# Allegro board DPU_PoE_A1_Sep27.brd (continued)
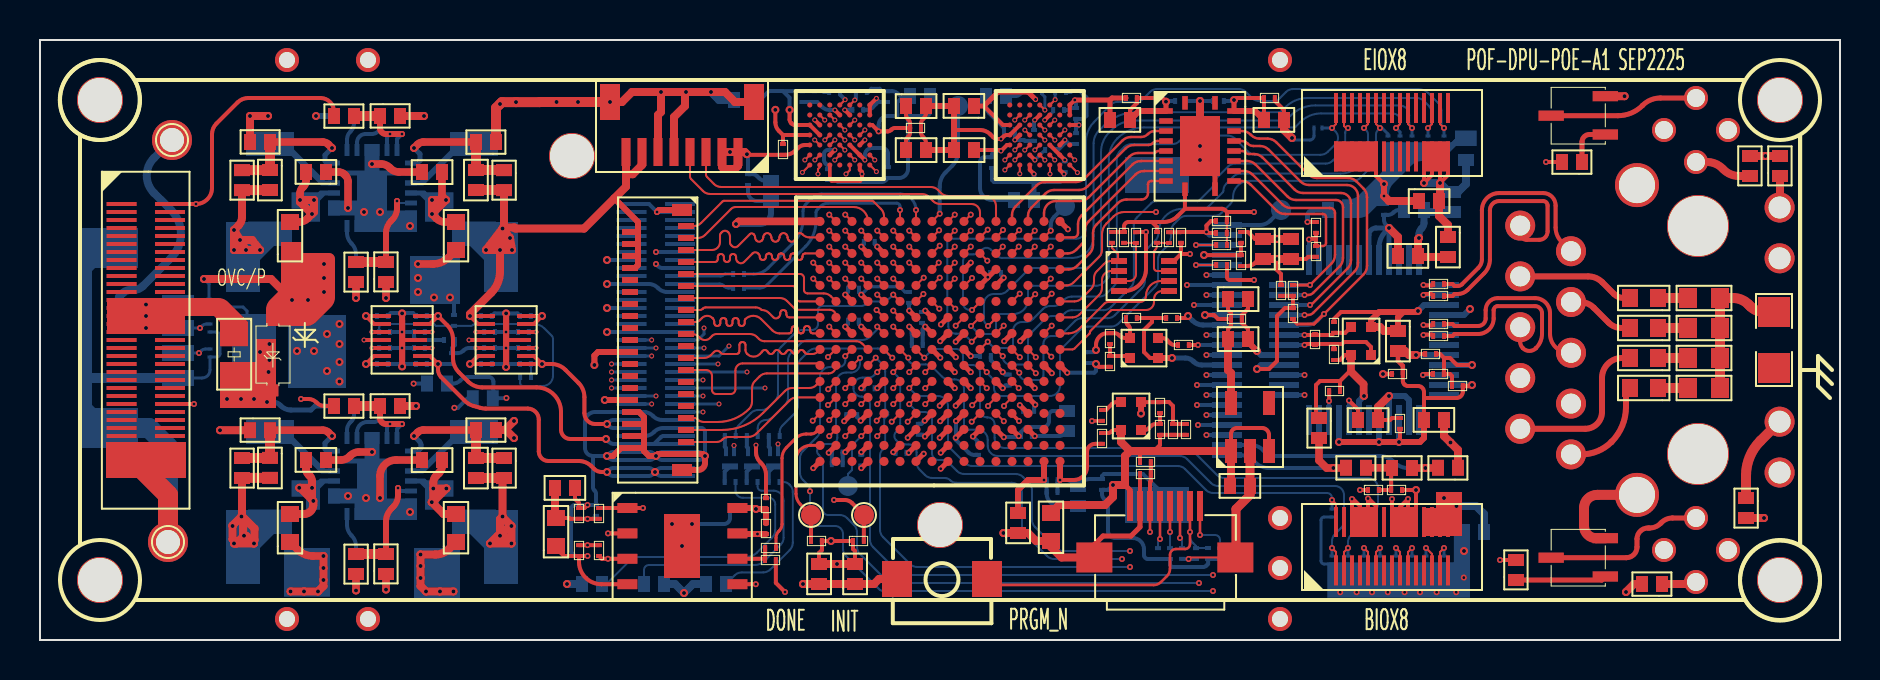
[diagram p0: board, top side]
## Footprints (pads in the part's own frame, mm; a bottom-side part is the same pattern mirrored in y, then rotated) (continued)
  rect 1x0.5 smd: 1(-2.73,1.9) 2(-2.73,0.63) 3(-2.73,-0.64) 4(-2.73,-1.91) 5(2.77,-1.91) 6(2.77,-0.64) 7(2.77,0.63) 8(2.77,1.9)
  rect 1.8x3.2 smd: EP(0,0)
WSON-14-EP
  rect 0.2x0.7 smd: 1(0,-1.8) 2(0.4,-1.8) 3(0.8,-1.8) 4(1.2,-1.8) 5(1.6,-1.8) 6(2,-1.8) 7(2.4,-1.8) 8(2.4,0) 9(2,0) 10(1.6,0) 11(1.2,0) 12(0.8,0) 13(0.4,0) 14(0,0)
  rect 2x0.3 smd: EP(1.197,-0.895)

## Nets
GND: C1.1 C2.2 C3.2 C4.2 C5.1 C6.1 C7.2 C8.1 C9.1 C10.1 C11.2 C12.1 C13.1 C14.1 C17.1 C18.1 C19.1 C20.1 C21.1 C22.1 C23.1 C24.2 C25.2 C26.1 C27.1 C29.2 C30.2 C31.2 C32.1 C34.2 C36.1 C37.1 C38.1 C40.1 C41.1 C43.1 C44.2 C45.1 C46.1 C47.1 C48.2 C49.2 C50.1 C51.1 C54.2 C55.1 C56.1 C57.2 C58.1 C59.1 C60.1 C61.1 C62.1 C63.1 C64.1 C65.1 C66.1 C67.2 C68.2 C69.2 C70.1 C71.1 C72.1 C73.1 C74.1 C75.1 C76.1 C77.1 C78.1 C79.1 C80.1 C81.1 C82.2 C83.1 C84.1 C85.1 C86.1 C87.1 C88.1 C89.2 C90.2 C91.1 C92.2 C93.2 C94.2 C95.1 C96.1 C97.2 C98.2 C99.1 C100.1 C101.1 C102.2 C103.1 C104.2 C105.2 C106.1 C107.1 C108.1 C109.1 C110.1 C111.2 C112.1 C113.1 C114.1 C115.1 C116.2 C117.1 C118.1 C119.2 C120.1 C121.2 C122.1 C123.1 C124.1 C125.1 C126.1 C127.2 C128.2 C129.2 C130.1 C131.2 C132.1 C133.1 C134.1 C135.1 C136.2 C137.1 C138.2 C139.1 C140.1 C141.1 C142.2 C143.1 C144.2 C145.2 C146.1 D1.1 D2.1 D3.1 D4.1 D5.1 D6.1 D7.2 D8.1 D9.1 D10.1 D11.1 D12.1 D13.1 D14.1 D15.1 D16.1 D20.1 D21.1 D22.1 J1.5 J1.6 J1.9 J1.10 J2.1 J2.3 J2.5 J2.7 J2.9 J2.11 J3.61 J3.62 J3.63 J3.64 J3.65 J3.66 J3.67 J3.68 J3.69 J3.70 J4.6 J4.8 J4.10 J4.12 J5.7 J5.9 J5.10 J6.2 J6.15 J6.25 J6.26 J7.5 J7.6 J7.7 J7.8 J7.11 J7.14 J7.16 J7.17 J7.37 J7.38 J7.43 J7.48 J7.49 J7.54 J7.55 J7.58 J7.68 J7.69 J8.1 J8.5 J8.6 Q1.2(E) Q2.2(E) Q3.2(EMITTER) Q4.2(EMITTER) Q5.2(EMITTER) R3.1 R4.1 R13.2 R15.2 R19.2 R32.2 R33.2 R37.2 R40.1 R41.1 R42.1 R45.1 R56.2 R58.2 R70.1 R71.1 R72.1 R73.1 R86.2 R90.1 SW1.1 TP3.1(TP) U1.A7 U1.B4 U1.B7 U1.C2 U1.D1 U1.E6 U1.G3 U1.G6(VSSQ#G6) U2.A7 U2.B4 U2.B7 U2.C2 U2.D1 U2.E6 U2.G3 U2.G6(VSSQ#G6) U3.11 U3.EPAD U4.4 U5.11 U5.EP U6.11 U6.EP U7.A1 U7.A8 U7.A10 U7.A13 U7.A16 U7.B8 U7.B10 U7.B14(VSSSD#B14) U7.C3 U7.C6 U7.C9 U7.C10 U7.D3 U7.D8 U7.D14 U7.E7 U7.E8 U7.F3 U7.F12 U7.G1 U7.G2 U7.G5 U7.G8 U7.H8 U7.H9 U7.J3 U7.J7 U7.J8 U7.J9 U7.J14 U7.L13 U7.M5 U7.N7 U7.P13 U7.T1 U7.T16 U8.2 U9.4 U9.EP U11.3 U11.4 U11.8 U11.12 U11.13 U11.14 U11.15 U11.16 U11.17 U11.19 U11.20 U11.23 U11.EPAD U12.3 U12.9 U12.14 U12.16 U12.19 U12.29 U12.48 U13.GND1 U13.GND2 U14.3 U14.4 U14.8 U14.12 U14.13 U14.14 U14.15 U14.16 U14.17 U14.19 U14.20 U14.23 U14.EPAD Y1.32 Y1.34 Y1.36 Y1.38 Y1.39 Y1.40 Y1.41 Y2.2 Y2.4(GND#4) Y3.2 Y4.2
GND_EARTH: C35.1
P1V0: C15.2 C60.2 C98.1 C105.1 C111.1 C113.2 C116.1 C127.1 C128.1 C129.1 C130.2 C131.1 C134.2 C135.2 C136.1 C138.1 L2.2 R8.2 U7.A2 U7.B15 U7.C4 U7.C5 U7.C7 U7.D7 U7.D9 U7.H7 U7.J10 U7.K9
P1V5: C29.1 C34.1 C48.1 J6.10 U8.5(OUT)
P1V8: C1.2 C3.1 C4.1 C5.2 C6.2 C7.1 C9.2 C10.2 C11.1 C12.2 C17.2 C18.2 C19.2 C22.2 C30.1 C31.1 C47.2 C49.1 C52.2 C54.1 C55.2 C57.1 C59.2 C63.2 C64.2 C65.2 C66.2 C67.1 C68.1 C69.1 C70.2 C71.2 C72.2 C74.2 C75.2 C76.2 C77.2 C78.2 C79.2 C80.2 C81.2 C82.1 C83.2 C84.2 C85.2 C86.2 C87.2 C88.2 C89.1 C90.1 C94.1 C96.2 C99.2 C100.2 C104.1 C106.2 C117.2 C123.2 C124.2 C125.2 C126.2 C132.2 C133.2 C137.2 C139.2 C140.2 C141.2 C145.1 C146.2 J1.1 J1.2 J2.23 J2.25 J2.27 J2.29 J5.8 J6.11 L4.2 R11.1 R12.1 R14.1 R16.1 R17.1 R28.2 R39.2 R46.2 R48.1 R50.2 R51.2 R52.2 R53.2 R55.2 R61.1 R62.2 R63.1 R64.2 R85.1 R87.1 R88.1 R89.1 U1.B5 U1.C1 U1.C7 U1.D2 U1.E1 U1.E5 U1.F3 U1.F6 U2.B5 U2.C1 U2.C7 U2.D2 U2.E1 U2.E5 U2.F3 U2.F6 U3.2 U3.10 U4.8 U5.1 U5.2 U7.B11 U7.B13 U7.C8 U7.D13 U7.E3 U7.F5 U7.F7 U7.F8 U7.F13 U7.G7 U7.J4 U7.J13 U7.K8 U7.K10 U7.L14 U7.M6 U7.N5 U7.N6 U7.P12 U8.1 U8.3 U9.8 Y1.22 Y1.30 Y3.4(VCC) Y4.4(VCC)
P2V8: C23.2 C24.1 C53.2 C144.1 D17.2 D18.2 D19.2 FB1.1 FB3.1 J4.16 J4.18 J4.20 J4.22 L3.2 R47.2
P3V3: C2.1 C8.2 C16.2 C27.2 C40.2 C73.2 C91.2 C92.1 C93.1 C97.1 C102.1 C119.1 C142.1 FB2.1 J1.7 J1.8 J4.24 J4.26 J4.28 J4.30 L1.2 R6.2 R7.2 R9.2 R10.1 R21.2 R24.2 R49.2 R60.2 U3.19(VCCB) U6.1 U6.2 U6.6 U6.7 U12.28 U12.43 U12.44 U12.45 Y1.2 Y1.4 Y1.6 Y1.8
P3V3A: C36.2 C37.2 C41.2 C45.2 C46.2 FB2.2 U12.4 U12.8 U12.11 U12.15 U12.17 U12.21
P5V0: C13.2 C14.2 C20.2 C21.2 C50.2 C51.2 C61.2 C62.2 C107.2 C121.1 C122.2 D7.1(CATHODE) D20.2 F1.2 J8.4 R1.2 R18.1 R35.2 R57.1 R65.2 R66.2 R67.2 R76.2 R77.2 R84.2 U5.4 U5.6 U5.7 U6.4 U11.10 U11.21 U14.10 U14.21
P5V0_IN: F1.1 J3.25 J3.26 J3.27 J3.28 J3.29 J3.30 J3.31 J3.32 J3.33 J3.34 TP1.1(TP)
ACTLED: U12.27 U13.12
BIO-1: D16.2 J4.27 U7.E10
BIO-2: D10.2 J4.2 U7.F10
BIO-3: D15.2 J4.25 U7.G11
BIO-4: D13.2 J4.17 U7.G12
BIO-5: D14.2 J4.19 U7.G13
BIO-6: D12.2 J4.11 U7.G14
BIO-7: D11.2 J4.9 R91.2 R92.2 U7.H14
BIO-8: D8.2 J4.3 U7.H10
BIO-9: D9.2 J4.1 U7.H11
C13: TP8.1(TP) U7.C13
DONE: R53.1 TP4.1(TP) U7.B16
DVP_D0: J6.19 U7.E4
DVP_D1: J6.21 U7.E6
DVP_D2: J6.22 U7.D6
DVP_D3: J6.20 U7.E5
DVP_D4: J6.18 U7.D5
DVP_D5: J6.16 U7.F6
DVP_D6: J6.14 U7.G3
DVP_D7: J6.12 U7.H2
DVP_HSYNC: J6.9 U7.H3
DVP_MCLK: J6.13 R30.2
DVP_PCLK: J6.17 U7.F4
DVP_PWDN: J6.8 U7.J2
DVP_RST: J6.6 U7.J5
DVP_SCL: J6.5 R17.2 U7.L3
DVP_SDA: J6.3 R16.2 U7.M2
DVP_VSYNC: J6.7(VSYNC) U7.H4
E_CSN: U3.4 U7.T4
E_INT: U3.8 U7.P1
E_MISO: U3.6 U7.T2
E_MOSI: U3.7 U7.R1
E_RST: U3.9 U7.N1
E_SCLK: U3.5 U7.T3
EIO-1: D3.2 J2.26 U7.L6
EIO-2: J2.4 U7.H5
EIO-3: D1.2 J2.2 U7.H6
EIO-4: D6.2 J2.12 U7.G6
EIO-5: D2.2 J2.28 U7.J6
EIO-6: J2.10 U7.G4
EIO-7: D5.2 J2.18 U7.K6
EIO-8: D4.2 J2.20 U7.K5
EN_ME1: R35.1 R36.1 U14.5 U14.6
EN_ME2: R1.1 R2.1 U11.5 U11.6
ETH_CSN: R24.1 U3.17 U12.32
ETH_INT: R21.1 U3.13 U12.36
ETH_MISO: U3.15 U12.34
ETH_MOSI: U3.14 U12.35
ETH_RST: C25.1 R10.2 U3.12 U12.37
ETH_SCLK: U3.16 U12.33
FP_LED0: J1.3(VBAT+#3) U7.T5
FP_LED1: J1.4 U7.T6
H1_CKN: U2.B2 U7.T8
H1_CKP: U2.B3 U7.T7
H1_CS: R62.1 U2.A4 U7.P5
H1_D0: U2.D4 U7.P7
H1_D1: U2.D3 U7.R8
H1_D2: U2.C5 U7.P3
H1_D3: U2.D5 U7.R4
H1_D4: U2.D6 U7.P4
H1_D5: U2.E4 U7.R5
H1_D6: U2.E3 U7.R6
H1_D7: U2.E2 U7.R7
H1_D8: U2.F5 U7.L10
H1_D9: U2.F1 U7.R9
H1_D10: U2.F7 U7.L8
H1_D11: U2.F2 U7.P8
H1_D12: U2.G5 U7.M9
H1_D13: U2.G1 U7.P9
H1_D14: U2.G7 U7.L9
H1_D15: U2.G2 U7.N9
H1_RST: R61.2 U2.A5 U7.P6
H1_RWDS0: U2.C4 U7.R3
H1_RWDS1: U2.F4 U7.N8
H2_CKN: U1.B2 U7.T15
H2_CKP: U1.B3 U7.T14
H2_CS: R64.1 U1.A4 U7.R10
H2_D0: U1.D4 U7.N12
H2_D1: U1.D3 U7.N13
H2_D2: U1.C5 U7.P11
H2_D3: U1.D5 U7.R12
H2_D4: U1.D6 U7.N11
H2_D5: U1.E4 U7.R13
H2_D6: U1.E3 U7.R14
H2_D7: U1.E2 U7.P14
H2_D8: U1.F5 U7.M11
H2_D9: U1.F1 U7.N15
H2_D10: U1.F7 U7.N10
H2_D11: U1.F2 U7.R15
H2_D12: U1.G5 U7.M12
H2_D13: U1.G1 U7.P15
H2_D14: U1.G7 U7.M10
H2_D15: U1.G2 U7.N14
H2_RST: R63.2 U1.A5 U7.P10
H2_RWDS0: U1.C4 U7.R11
H2_RWDS1: U1.F4 U7.M13
INIT_N: R48.2 TP2.1(TP) U7.D11
IO-1: U7.T12 Y1.1
IO-2: U7.T13 Y1.3
IO-3: U7.R16 Y1.5
IO-4: U7.P16 Y1.7
IO-5: U7.L15 Y1.9
IO-6: U7.L16 Y1.11
IO-7: U7.K15 Y1.13
IO-8: U7.K16 Y1.15
IO-9: U7.J16 Y1.17
IO-10: U7.H13 Y1.19
IO-11: U7.H16 Y1.23
IO-12: U7.G16 Y1.25
IO-13: U7.G15 Y1.33
IO-14: U7.F16 Y1.35
IO-15: U7.E16 Y1.37
IO_LED_1: R80.1 U7.L11
IO_LED_2: R79.1 U7.J12
IO_LED_3: R78.1 U7.H12
IR_1V8: C103.2 J7.9 J7.10 J7.12 U5.13 U5.14
IR_1V8_EN: C108.2 R71.2 R74.2 U5.3
IR_3V3: C118.2 J7.13 J7.15 R74.1 U6.8 U6.9(VOUT2.)
IR_3V3_EN: C112.2 R72.2 R75.2 U6.5
IR_5V0: C120.2 J7.1 J7.2 J7.3 J7.4 R75.1 U5.8 U5.9(VOUT2.)
IR_D0: J7.18 U7.E15
IR_D1: J7.19 U7.E12
IR_D2: J7.20 U7.F9
IR_D3: J7.21 U7.E13
IR_D4: J7.22 U7.G10
IR_D5: J7.23 U7.F15
IR_D6: J7.24 U7.E9
IR_D7: J7.25 U7.H15
IR_D8: J7.26 U7.G9
IR_D9: J7.27 U7.J15
IR_D10: J7.28 U7.K7
IR_D11: J7.29 U7.K12
IR_D12: J7.30 U7.J11
IR_D13: J7.31 U7.L12
IR_D14: J7.32 U7.K11
IR_D15: J7.33 U7.M16
IR_HSYNC: J7.34 U7.M15
IR_PCLK: J7.36 U7.M14
IR_PWR_EN: R73.2 U5.5 U7.M7
IR_UART_RX: R69.1 U7.T11
IR_UART_TX: R68.1 U7.T10
IR_VSYNC: J7.35 U7.N16
JTAG_EN: J5.6 R89.2 R90.2 U7.D10
LD_3V3: C101.2 U6.13 U6.14
LD_3V3_EN: R70.2 U6.3
LINKLED: U12.25 U13.14
MCLK: R54.1 U7.C16
MCSN: R51.1 U7.C15 U9.1
MD0: U7.C14 U9.5
MD1: U7.D16 U9.2
MD2: R55.1 U7.D15 U9.3(W#/SIO2)
MD3: R52.1 U7.D12 U9.7
MIPI1_CLK+: U7.D1
MIPI1_CLK-: U7.D2
MIPI1_D0+: U7.E1
MIPI1_D0-: U7.E2
MIPI1_D1+: U7.C1
MIPI1_D1-: U7.C2
MIPI2_CLK+: U7.A5
MIPI2_CLK-: U7.B5
MIPI2_D0+: U7.A4
MIPI2_D0-: U7.B4
MIPI2_D1+: U7.A6
MIPI2_D1-: U7.B6
NC.12: U12.12
PROGRAM_N: C58.2 J5.2 R50.1 SW1.2 U7.C12
PWR_EN1: D22.2 J3.52 J8.2 R36.2 R92.1
PWR_EN2: D21.2 J3.2 J8.3 R2.2 R91.1
RN: R25.1 U13.6
RP: R27.1 U13.5
SPI_CS: R11.2 U4.1 U7.L1
SPI_SCK: U4.6 U7.J1
SPI_SI: U4.5 U7.H1
SPI_SO: U4.2 U7.K1
SYNC-1: R57.2 R58.1 U14.11(SYNC)
SYNC-2: R18.2 R19.1 U11.11(SYNC)
SYS_CLK: R38.2 U7.D4
TCK: J5.3 R86.1 U7.F14
TDI: J5.5 R88.2 U7.F11
TDO: J5.1 R85.2 U7.E14
TMS: J5.4 R87.2 U7.E11
TN: R20.1 U13.2
TP: R22.1 U13.1
TP_P2: U7.P2
TP_R2: TP6.1(TP) U7.R2
UPLD_TXD1: R5.2 U7.M1
UPLD_TXD2: R59.2 U7.L4
N760129: C26.2 FB1.2 J6.4
N760503: C56.2 FB3.2 R43.1 R44.1
N762812: R28.1 R32.1 Y3.1
N763219: R30.1 Y3.3
N900708: R54.2 R56.1 U9.6
N990170: R37.1 R39.1 Y4.1
N990230: R38.1 Y4.3
N1026841: R12.2 R13.1 U4.3(W\P\)
N1026851: R14.2 R15.1 U4.7
N1593173: D18.1(CATHODE) R83.2
N1593177: D19.1(CATHODE) R82.2
N1593181: D17.1(CATHODE) R81.2
N1593233: Q5.3 R83.1
N1593237: Q4.3 R82.1
N1593241: Q3.3 R81.1
N1593321: Q5.1 R80.2
N1593325: Q4.1 R79.2
N1593329: Q3.1 R78.2
N1599549: L3.1 U14.9
N1609517: C143.2 R84.1 U14.18
N1613601: C53.1 R41.2 R47.1 U14.7
N1616720: L4.1 U14.22
N1616768: C52.1 R40.2 R46.1 U14.24
N1627713: R77.1 U14.2
N1630418: R76.1 U14.1
N2052721: TP5.1(TP) U7.T9
N2071731: L1.1 U11.9
N2071767: R66.1 U11.2
N2071821: C16.1 R4.2 R9.1 U11.7
N2072037: C95.2 R67.1 U11.18
N2072149: L2.1 U11.22
N2072181: R65.1 U11.1
N2072229: C15.1 R3.2 R8.1 U11.24
N2690332: J6.1 TP7.1(TP)
N2822398: J7.50 R69.2
N2822416: J7.52 R68.2
N2837557: C110.2 U5.12
N2837561: C115.2 U5.10
N2851475: C109.2 U6.12
N2851539: C114.2 U6.10
N2872165: J6.23 R44.2 R45.2
N2872169: J6.24 R42.2 R43.2
N2902183: R20.2 U12.1
N2902195: R22.2 U12.2
N2902207: R25.2 U12.5
N2902219: R27.2 U12.6
N2910858: R33.1 U12.10
N2920519: C44.1 U12.20
N2922742: C43.2 U12.22
N2933507: C32.2 R29.2 U12.31(XO) Y2.3
N2934366: C38.2 R29.1 U12.30 Y2.1
N2966266: R49.1 U13.13
N2966270: R7.1 U13.11
N2975066: C28.2 U13.3
N2979599: C33.2 U13.4
N2979611: C39.2 U13.9
N2981115: C42.2 U13.10
N2982594: C35.2 R23.2 R26.2 R31.2 R34.2
N3194519: LD1.2 Q1.3
N3194698: LD1.1 R6.1
N3194743: Q1.1 R5.1
N3194934: LD2.1 R60.1
N3195021: LD2.2 Q2.3
N3195213: Q2.1 R59.1
N29811470: C28.1 R23.1
N29812170: C33.1 R26.1
N29812430: C39.1 R31.1
N29812690: C42.1 R34.1

Pads without a net: J2 6 8 13 14 15 16 17 19 21 22 24 30; J3 1 3 4 5 6 7 8 9 10 11 12 13 14 15 16 17 18 19 20 21 22 23 24 35 36 37 38 39 40 41 42 43 44 45 46 47 48 49 50 51 53 54 55 56 57 58 59 60; J4 4 5 7 13 14 15 21 23 29; J7 39 40 41 42 44 45 46 47 51 53 56 57 59 60 61 62 63 64 65 66 67 70; LD1 3 4; LD2 3 4; TP9 1; TP10 1; TP11 1; TP12 1; TP13 1; TP14 1; TP15 1; TP16 1; U1 A1 A2 A3 A6 B1 B6 C3 C6 D7 E7 G4; U2 A1 A2 A3 A6 B1 B6 C3 C6 D7 E7 G4; U3 1 3 18 20; U7 A3 A7 A9 A11 A12 A14 A15 B1 B2 B3 B7 B9 B12 C11 F1 F2 K2 K3 K4 K13 K14 L2 L5 L7 M3 M4 M8 N2 N3 N4; U8 4; U12 7 13 18 23 24 26 38 39 40 41 42 46 47; U13 7 8; Y1 10 12 14 16 18 20 21 24 26 27 28 29 31

## Via types
v1: diameter 0.3, hole 0.15, TOP to BOTTOM, 301 vias
v2: diameter 0.25, hole 0.15, TOP to BOTTOM, 101 vias
v3: diameter 0.4, hole 0.2, TOP to BOTTOM, 193 vias

## Routing (per net, layer and track width the routed paths; a pad name or vN(x,y) marks a point on that pad's centre or on a via; arc(x,y) is an arc through that point)
GND: length 821.6
  TOP w0.102: v1(57.43,4.05) 57.51,4.13 J5.9
  TOP w0.18: U1.G3 39.49,23.04 39.58,22.95 41.01,22.95 41.1,23.04 v2(41.1,23.3)
  TOP w0.2: U1.C2 38.75,25.99 38.75,25.99 v2(38.74,26) ; U2.G6 50.99,23.51 v2(51.2,23.3) ; C24.2 60.95,19.05 60.76,18.86 arc(60.58,18.74) 60.37,18.7 C26.1 ; R32.2 52.94,13.66 v3(52.8,13.8) ; 37.15,25.25 36.94,25.46 arc(36.81,25.65) 36.77,25.88 v3(36.77,26.51) ; 37.15,25.25 C10.1 ; 37.15,25.25 U1.D1 ; v2(41.24,25) U1.E6 ; 70.2,14.1 70.5,14.1 70.85,13.75 v3(71.6,13.75) ; 70.2,14.1 70,14.3 C37.1 ; 70.2,14.1 70.2,13.31 R33.2 70.5,13.3 70.6,13.2 C41.1 ; U2.B7 U2.A7 v2(51.74,27) ; J4.10 v1(66.4,7.07) 66.43,7.07 66.8,6.7 J4.12 ; v1(58.32,20.4) 58.32,20.72 58.55,20.95 C18.1 ; v1(58.32,20.4) C22.1 57.04,20.39 R15.2 ; v1(58.32,20.4) 58.35,20.4 58.4,20.35 C19.1 ; U5.EP 18.11,15 U5.11 ; Y3.2 55.5,14.1 55.2,14.4 55.2,15.5 55.6,15.9 55.6,16.1 ; 55.6,16.1 C31.2 ; 55.6,16.1 C30.2 ; U1.B4 v2(39.74,26.5) ; C55.1 26.75,7.05 26.95,6.85 C59.1 27.22,6.6 v1(27.37,6.75) ; C11.2 44.3,24.84 arc(44.27,24.99) 44.19,25.11 44.16,25.14 arc(44.08,25.26) 44.05,25.41 C9.1 44.05,25.8 arc(44.08,25.94) 44.16,26.06 44.19,26.09 arc(44.27,26.21) 44.3,26.36 C3.2 ; U4.4 54.2,17.45 arc(54.98,17.77) 55.3,18.55 v1(55.3,20.4) 54.81,20.4 R13.2 ; C32.1 64.7,16.05 65.05,16.4 66.96,16.4 ; C63.1 25.8,4.6 26.2,4.2 C64.1 ; C27.1 62.05,18.3 61.85,18.5 v3(61.85,19.05) ; v3(67.2,22.8) 66.8,23.2 J2.11 ; C8.1 62.2,26.5 61.74,26.96 C2.2 ; R42.1 63.8,11.25 63.8,12.75 64,12.95 65,12.95 ; C23.1 63.3,19.05 63.41,19.16 C25.2 ; Y4.2 55.06,11.89 R37.2 56.01,11.9 56.45,11.9 56.65,11.7 C47.1 C139.1 ; C56.1 v1(66,7.5) ; U1.B7 U1.A7 v2(41.82,27.08) ; U2.G3 49.49,23.51 v2(49.7,23.3) ; C48.2 60.4,15.55 60.09,15.86 C29.2 60.09,16.24 60.4,16.55 C34.2 ; v1(37.25,2.4) 36.79,2.86 R56.2 ; U9.4 28.07,2.79 arc(27.28,3.12) 26.95,3.91 C64.1 ; 65,12.95 65.47,13.42 65.55,13.42 ; 65,12.95 C43.1 ; R90.1 J5.7 ; J4.8 66,6.7 65.65,7.05 v1(65.6,7.05) J4.6 ; v1(48.14,13.39) U7.G5 ; U1.G6 40.99,23.51 41.1,23.4 v2(41.1,23.3) ; Y2.4 65.25,14.25 65,14 C38.1 ; 45.7,25.5 47,25.5 arc(47.28,25.45) 47.51,25.29 47.66,25.14 arc(47.76,25.07) 47.88,25.05 v2(48.05,25.05) 48.18,25.18 arc(48.26,25.23) 48.35,25.25 U2.D1 U2.C2 ; C57.2 36.3,8.27 arc(36.24,8.57) 36.06,8.84 36.01,8.89 arc(35.86,9.12) 35.8,9.4 v2(35.8,9.74) ; C49.2 52.76,9.81 arc(52.47,9.69) 52.35,9.4 52.35,8.66 arc(52.16,8.19) 51.7,8 v1(51,8) ; U2.B4 v2(49.74,26) ; C64.1 v1(27.38,4.2) ; U2.E6 v2(51.24,25) ; C44.2 67.5,11 67.6,11.1 C46.1 ; U6.EP 23.31,15 U6.11
  TOP w0.25: 53.5,27 53.6,27.1 C1.1 ; 53.5,27 C7.2 ; 53.5,27 51.74,27 v2(51.74,27) ; J5.7 55,5.65 54.55,5.2 53.15,5.2 52.72,4.77 J5.10 ; U7.P13 v1(41.06,19.67) ; U7.N7 v1(46.54,18.87) ; v1(44.19,9.32) U7.A10 ; v1(51.4,20.54) U7.T1 ; U7.E8 v1(44.98,11.71) ; v1(43.38,10.11) U7.C10 ; U7.A16 v1(38.66,8.59) ; U7.B10 v1(43.44,9.36) ; U7.F3 v1(49.74,12.59) ; U7.B14 v1(40.26,9.39) ; U7.A8 v1(45.03,8.57) ; U7.G8 v1(45.74,13.39) ; U7.C9 v1(44.24,10.18) ; v1(41.86,12.59) U7.F12 ; v1(40.26,15.67) U7.J14 ; v1(49.01,14.94) U7.J3 ; U7.A13 v1(41.06,8.59) ; U7.J7 v1(45.78,14.91) ; v1(45.01,14.94) U7.J8 ; v1(45.01,10.94) U7.D8 ; U3.11 58.75,23.25 v3(58,24) ; U7.L13 v1(41.06,17.27) ; U7.J9 v1(44.26,15.67) ; v1(51.37,13.36) U7.G1 ; U7.C3 v1(49.74,10.19) ; U7.D14 v1(40.21,10.94) ; U7.E7 v1(45.78,11.71) ; U7.G2 v1(50.59,13.34) ; v1(48.99,11.74) U7.D3 ; U7.B8 v1(45.03,9.36) ; U7.H8 v1(45.79,14.14) ; U7.C6 v1(46.65,10.18) ; v1(48.19,18.12) U7.M5 ; v1(45.02,14.12) U7.H9
  TOP w0.3: Y1.41 32.9,8.5 arc(33.15,8.6) 33.25,8.85 v3(33.25,9.2) 33.15,9.3 Y1.39 30.9,9.3 v3(30.8,9.2) 30.45,9.2 30.2,9.45 30.2,9.6 ; v3(23.3,13.65) U6.EP v3(23.3,16.33) ; C3.2 C4.2 C12.1 C11.2 ; 30.2,10.8 30.2,11.15 29.95,11.4 Y1.32 ; 30.2,10.8 Y1.34 ; 30.2,10.8 30.2,10.2 ; v3(68.9,16.45) 68.85,16.4 68.16,16.4 ; v3(28.35,9.2) 28.65,9.2 29.05,9.6 Y1.38 30.2,9.6 ; 30.2,9.6 30.2,10.2 ; 30.2,10.2 Y1.36 ; v3(60.85,14.45) 60.4,14.9 C48.2 ; v1(30.85,21.4) 30.95,21.5 Y1.40 ; v1(51,8) U7.A1 ; 68.16,16.4 67.9,16.14 C36.1 ; 68.16,16.4 66.96,16.4 66.55,15.99 Y2.2 ; v3(18.11,16.33) U5.EP v3(18.11,13.68) ; Y3.2 v3(56.6,14.1) ; v1(67.2,22.2) v3(67.2,22.8) ; Y4.2 v3(55.05,11.32)
  TOP w0.38: C61.1 12.88,4.52 arc(13.23,4.28) 13.65,4.2 v3(14.17,4.2) ; v3(18.9,18.8) 19.64,18.8 arc(20.07,18.88) 20.42,19.12 C21.1 ; U7.T16 34.93,20.93 v3(34.8,20.8) ; C13.1 14.93,23.4 arc(15.09,23.37) 15.22,23.28 15.28,23.22 arc(15.37,23.09) 15.4,22.93 v3(15.4,21.6) ; C50.1 15.06,9 arc(15.28,9.05) 15.47,9.17 15.53,9.23 arc(15.72,9.35) 15.94,9.4 v3(16.6,9.4) ; R19.2 v3(15.8,17.1) ; v3(16.6,23.8) 17.06,23.8 arc(17.28,23.75) 17.47,23.63 17.53,23.57 arc(17.72,23.45) 17.94,23.4 C14.1 ; Y2.4 65.55,13.42 66.18,12.79 66.18,12.22 v3(66.2,12.2) ; C51.1 17.8,9 arc(17.23,8.77) 17,8.2 v3(17,7.1) ; R58.2 v3(15.8,2.48)
  TOP w0.4: v3(11.4,26.2) v3(10.5,26.2) R3.1 ; v3(32.3,27.4) v3(33.55,27.4) 34.25,27.4 34.75,26.9 J1.9 ; v3(32.3,27.4) v3(31.05,27.4) ; v3(32.3,27.4) 32.25,27.35 32.25,26.7 31.7,26.15 J1.5 ; v3(31.05,27.4) 29.6,27.4 29.1,26.9 v3(28.5,26.9) ; v3(31.05,27.4) 31.05,26.4 30.9,26.25 J1.6 ; v3(58,24.7) v3(58,26.95) ; 23.25,10.5 v3(23.7,10.95) ; 23.25,10.5 R41.1 ; 23.25,10.5 23.3,10.5 v3(23.7,10.1) ; v3(8.2,18.05) 11.55,18.05 v3(12.6,17) ; C24.2 v3(61.85,19.05) C23.1 ; v3(62.6,25.1) 62.2,25.5 C8.1 ; v3(48.17,5.35) C60.1 49.4,5.35 49.8,4.95 C54.2 50.55,4.65 51.07,4.13 J5.10 ; R45.1 70.9,9.5 v3(70.52,9.88) 70.2,10.2 C45.1 ; Y2.2 67,15.65 67.2,15.45 C36.1 ; v3(14.17,4.2) v3(14.17,3.6) v3(14.17,3) 14.17,2.7 v3(13.9,2.43) v3(13.2,2.43) v3(12.53,2.43) ; v1(67.2,22.2) 67.45,21.95 C17.1 ; C89.2 68.95,19.15 C40.1 68.9,20.05 v3(68.95,20.1) ; v3(38.15,2.8) C66.1 C146.1 41.7,2.8 41.95,3.05 SW1.1 ; v3(20.67,2.43) v3(20,2.43) v3(19.3,2.43) 19.03,2.7 v3(19.03,3.1) v3(19.03,3.7) v3(19.03,4.27) 19.77,4.27 arc(20.14,4.35) 20.46,4.56 C62.1 ; v3(67.45,12.2) 66.9,11.65 C44.2 ; Q1.2 v3(79.23,27.19) ; R40.1 v3(9,10.49)
  TOP w0.45: U8.2 C65.1 60.5,7.25 59.8,6.55 59.8,4.16 J5.9
  TOP w0.5: R4.1 22.8,26.6 v3(23,26.8) 23.09,26.89 v3(23.8,26.89) 25,26.89 25,26.9 v3(25.83,26.9) v3(26.9,26.9) v3(28.5,26.9) ; U13.GND1 77.86,7.25 arc(77.39,7.06) 77.2,6.6 77.2,5.7 arc(77.38,5.27) 77.81,5.09 Q2.2
  TOP w1: TP3.1 6.4,7.25 5.2,8.45
  GND-2 w0.102: 47.2,25.05 47.4,25.05 ; v1(41.06,19.67) 41.06,19.66
  GND-2 w0.15: v1(40.21,10.94) 40.21,11.19 40.03,11.37 36.93,11.37 36.9,11.4 ; v1(40.21,10.94) 40.19,10.94 39.84,10.59 39.04,10.59 38.25,9.8 v2(36.9,9.8) ; v1(40.21,10.94) 40.66,10.49 40.66,9.79 v1(40.26,9.39) ; v1(48.19,18.12) 48.2,18.13 48.2,18.8 47.5,19.5 47.13,19.5 46.54,18.9 v1(46.54,18.87) 46.17,18.5 46.17,17.73 46.75,17.15 48.2,17.15 ; v1(49.74,12.59) 49.35,12.98 48.55,12.98 v1(48.14,13.39) 48.48,13.74 50.19,13.74 v1(50.59,13.34) ; v1(45.79,14.14) 45.77,14.12 ; 41.46,17.67 v1(41.06,17.27) 40.66,17.67 40.66,19.26 41.06,19.66 41.46,19.26 41.46,17.67
  GND-2 w0.2: v1(45.01,14.94) 45.76,14.94 v1(45.78,14.91) 45.78,14.14 v1(45.79,14.14) ; v1(45.01,14.94) 45.01,14.12 v1(45.02,14.12) ; v1(45.01,14.94) 44.48,14.94 ; v1(44.24,10.18) 44.24,9.38 v1(44.19,9.32) ; v1(44.24,10.18) 44.19,10.11 v1(43.38,10.11) 43.38,9.41 v1(43.44,9.36) 43.48,9.32 v1(44.19,9.32) ; v1(44.24,10.18) v1(45.01,10.94) 44.98,10.96 v1(44.98,11.71) v1(45.78,11.71) ; v2(51.2,23.3) 51.2,22.8 ; 51.2,22.8 52.3,22.8 52.55,23.05 52.55,25 ; 51.2,22.8 49.7,22.8 ; v2(49.74,26) 49.74,26.21 49.45,26.5 47.8,26.5 47.4,26.1 47.4,25.05 ; v1(45.03,9.36) 44.98,9.32 v1(44.19,9.32) ; v1(49.74,10.19) 49.74,10.99 v1(48.99,11.74) 48.99,11.79 49.74,12.54 v1(49.74,12.59) 50.29,12.59 50.59,12.89 v1(50.59,13.34) 51.34,13.34 v1(51.37,13.36) 51.37,14.44 50.86,14.94 v1(49.01,14.94) ; 38.35,13.3 41.16,13.3 v1(41.86,12.59) ; 38.35,13.3 36.9,11.85 v2(36.9,9.8) ; 38.35,13.3 38.35,14.6 38.7,14.95 40.26,14.95 ; v2(38.74,26) 38.74,26.19 39.05,26.5 ; v1(45.02,14.12) 45.77,14.12 45.74,14.09 v1(45.74,13.39) v1(45.02,14.12) ; v2(48.05,25.05) 47.4,25.05 ; 47.4,25.05 47.4,23.3 47.9,22.8 49.7,22.8 ; 44.48,14.94 40.27,14.94 40.26,14.95 ; 44.48,14.94 44.26,15.16 v1(44.26,15.67) ; 42.9,24.65 41.59,24.65 v2(41.24,25) ; 42.9,24.65 42.9,26.9 42.72,27.08 v2(41.82,27.08) ; 42.9,24.65 42.9,23.25 42.5,22.85 41.3,22.85 41.1,23.05 v2(41.1,23.3) ; 40.26,14.95 v1(40.26,15.67) 40.26,16.06 41.06,16.86 v1(41.06,17.27) ; 39.05,26.5 38.3,27.25 37,27.25 36.77,27.02 v3(36.77,26.51) ; 39.05,26.5 v2(39.74,26.5) ; 49.7,22.8 v2(49.7,23.3) ; 52.55,25 52.55,26.7 52.25,27 v2(51.74,27) ; 52.55,25 v2(51.24,25)
  GND-2 w0.3: 40.41,8.59 v1(38.66,8.59) ; 40.41,8.59 v1(41.06,8.59) 45.01,8.59 v1(45.03,8.57) v1(45.03,9.36) 46.37,9.36 46.65,9.65 46.65,10.17 v1(46.65,10.18) ; 40.41,8.59 40.26,8.74 v1(40.26,9.39) ; v3(15.8,2.48) 14.7,2.48 v3(14.17,3) ; v1(48.19,18.12) 48.2,18.1 48.2,16.75 49,15.95 49,14.95 v1(49.01,14.94)
  GND-2 w0.4: v3(68.9,16.45) 67.15,16.45
  GND-2 w1: 77.45,4.6 79.85,7 U13.GND1 ; U13.GND2 79.85,26.57 v3(79.23,27.19)
  VCC-4 w0.3: v3(14.17,3) 14.51,3.34 15.5,3.34 15.8,3.04 v3(15.8,2.48)
  GND-5 w0.102: TP3.1 7.28,5.78 ; TP3.1 5.22,4.9 ; TP3.1 7.28,4.02 ; TP3.1 6.4,6.08 ; TP3.1 5.52,4.02 ; TP3.1 7.58,4.9 ; TP3.1 6.4,3.72 ; TP3.1 5.52,5.78
  GND-5 w0.15: v1(45.79,14.14) 45.77,14.12 v1(45.02,14.12) ; v1(45.79,14.14) 45.78,14.14 v1(45.78,14.91) 45.76,14.94 v1(45.01,14.94) ; v1(45.79,14.14) 45.79,13.45 v1(45.74,13.39) v1(45.02,14.12) ; 38.35,13.3 38.35,14.6 38.7,14.95 40.25,14.95 ; 38.35,13.3 41.16,13.3 v1(41.86,12.59) ; 38.35,13.3 36.9,11.85 36.9,11.35 ; v1(45.01,14.94) 45,14.95 44.25,14.95 ; v1(45.01,14.94) 45.01,14.12 v1(45.02,14.12) ; v1(40.21,10.94) 40.65,10.5 40.65,9.78 v1(40.26,9.39) ; v1(40.21,10.94) 40.19,10.94 39.85,10.6 39.05,10.6 38.25,9.8 v2(36.9,9.8) 36.9,11.35 ; v1(40.21,10.94) 40.21,11.19 40.05,11.35 36.9,11.35 ; v1(51.37,13.36) 50.62,13.36 v1(50.59,13.34) ; v1(50.59,13.34) 50.6,13.33 50.6,12.9 50.29,12.59 v1(49.74,12.59) ; v1(50.59,13.34) 50.18,13.75 48.5,13.75 48.14,13.39 ; 44.25,14.95 40.25,14.95 ; 44.25,14.95 44.26,14.96 v1(44.26,15.67) ; 40.25,14.95 40.26,14.96 v1(40.26,15.67) 40.26,16.06 41.05,16.85 41.05,17.25 v1(41.06,17.27) ; v1(48.14,13.39) 48.14,13.39 ; 48.14,13.39 48.16,13.39 48.55,13 49.33,13 v1(49.74,12.59) ; v1(41.06,17.27) 41.07,17.27 41.45,17.65 41.45,19.28 v1(41.06,19.67) 41.02,19.67 40.65,19.3 40.65,17.68 v1(41.06,17.27) ; 48.19,17.25 46.6,17.25 46.2,17.65 U7.N7 v1(46.54,18.87) 46.54,18.94 47.15,19.55 47.45,19.55 48.19,18.81 v1(48.19,18.12) ; v1(49.74,12.59) 48.99,11.85 v1(48.99,11.74) 49.01,11.74 49.74,11.01 v1(49.74,10.19) ; 44.13,9.36 v1(44.19,9.32) ; 44.22,10.15 v1(44.24,10.18) v1(45.01,10.94) 44.98,10.96 v1(44.98,11.71) v1(45.78,11.71)
  GND-5 w0.2: 47.4,25.05 47.4,26.1 47.8,26.5 49.45,26.5 49.74,26.21 v2(49.74,26) ; 47.4,25.05 v2(48.05,25.05) ; 47.4,25.05 47.4,23.3 47.9,22.8 49.7,22.8 ; v2(39.74,26.5) 39.74,26.5 39.05,26.5 ; 39.05,26.5 38.74,26.19 v2(38.74,26) ; 39.05,26.5 38.3,27.25 37,27.25 36.77,27.02 v3(36.77,26.51) ; v2(41.24,25) 41.25,25 41.6,24.65 42.9,24.65 ; 42.9,24.65 42.9,23.25 42.5,22.85 41.25,22.85 41.1,23 v2(41.1,23.3) ; 42.9,24.65 42.9,26.75 42.57,27.08 v2(41.82,27.08) ; 52.55,25 52.55,25 v2(51.24,25) ; 52.55,25 52.55,23.05 52.3,22.8 51.2,22.8 ; 52.55,25 52.55,26.7 52.25,27 51.74,27 v2(51.74,27) ; 51.2,22.8 49.7,22.8 ; 51.2,22.8 v2(51.2,23.3) ; 49.7,22.8 v2(49.7,23.3)
  GND-5 w0.3: v1(51.37,13.36) 51.37,14.44 50.86,14.94 v1(49.01,14.94) 49.01,15.99 48.19,16.81 v1(48.19,18.12) ; v3(14.17,3) 14.7,2.48 v3(15.8,2.48) ; v1(43.38,10.11) 43.42,10.15 44.22,10.15 44.19,10.11 v1(44.19,9.32) 44.22,9.35 45.02,9.35 v1(45.03,9.36) ; v1(43.38,10.11) 44.13,9.36 v1(43.44,9.36) 43.38,9.41 v1(43.38,10.11) ; v1(40.26,9.39) 40.25,9.38 40.25,8.75 40.41,8.59 v1(41.06,8.59) 45.01,8.59 v1(45.03,8.57) v1(45.03,9.36) ; v1(45.03,9.36) 45.05,9.35 46.35,9.35 46.65,9.64 v1(46.65,10.18)
  GND-5 w1: 78.79,5.31 79.85,6.37 U13.GND1 ; U13.GND2 79.85,24.52
  SIG-6 w0.102: 55.03,11.3 v3(55.05,11.32)
  SIG-6 w0.12: v1(48.99,11.74) 49.37,11.36 54.97,11.36 55.05,11.28 55.05,10.75 54.9,10.6 50.14,10.6 v1(49.74,10.19)
  GND-7 w0.102: 5.52,4.02 TP3.1 ; TP3.1 7.28,4.02 ; TP3.1 6.4,6.08 ; TP3.1 5.22,4.9 ; TP3.1 6.4,3.72 ; TP3.1 7.58,4.9 ; TP3.1 5.52,5.78 ; TP3.1 7.28,5.78 ; 45.04,14.14 v1(45.02,14.12) ; 41.06,16.91 41.05,16.9 ; 45.78,14.14 v1(45.79,14.14) ; v1(45.78,14.91) 45.78,14.88
  GND-7 w0.15: v1(41.06,17.27) 41.07,17.27 41.46,17.66 41.46,19.27 v1(41.06,19.67) 41.06,19.66 40.66,19.26 40.66,17.67 v1(41.06,17.27) ; v1(41.06,17.27) 41.06,16.91 ; 41.05,16.9 40.26,16.11 v1(40.26,15.67)
  GND-7 w0.16: v2(36.9,9.8) 38.25,9.8 39.04,10.59 39.84,10.59 40.19,10.94 v1(40.21,10.94) ; v1(40.21,10.94) 40.66,10.49 40.66,9.79 v1(40.26,9.39) ; v1(40.21,10.94) 40.21,11.19 40.05,11.35 36.9,11.35 ; v1(50.59,13.34) 50.56,13.34 50.15,13.75 48.5,13.75 v1(48.14,13.39) 48.16,13.39 48.57,12.98 49.35,12.98 v1(49.74,12.59) 49.74,12.59 49.4,12.25 49.4,12.23 48.99,11.82 v1(48.99,11.74) 49.01,11.72 49.01,11.7 49.7,11.02 49.7,10.23 v1(49.74,10.19) ; v1(45.78,11.71) v1(44.98,11.71) 44.98,10.96 v1(45.01,10.94) v1(44.24,10.18) ; v1(44.26,15.67) 44.28,15.67 v1(45.01,14.94) ; v1(48.19,18.12) 48.2,18.13 48.2,18.8 47.45,19.55 47.19,19.55 46.54,18.9 v1(46.54,18.87) 46.52,18.87 46.17,18.52 46.17,17.68 46.6,17.25 48.2,17.25
  GND-7 w0.2: 39.01,26.57 39.67,26.57 v2(39.74,26.5) ; 39.01,26.57 38.74,26.3 v2(38.74,26) ; 39.01,26.57 38.33,27.25 37,27.25 36.77,27.02 v3(36.77,26.51) ; 47.4,25.05 47.4,26.1 47.8,26.5 49.5,26.5 49.74,26.26 v2(49.74,26) ; 47.4,25.05 v2(48.05,25.05) ; 47.4,25.05 47.4,23.3 47.9,22.8 49.7,22.8 ; v1(48.19,18.12) 48.2,18.1 48.2,16.8 49.01,15.99 v1(49.01,14.94) 50.86,14.94 51.35,14.45 51.35,13.38 v1(51.37,13.36) 50.62,13.36 v1(50.59,13.34) 50.6,13.33 50.6,12.9 50.29,12.59 v1(49.74,12.59) ; 52.55,25 52.55,25 v2(51.24,25) ; 52.55,25 52.55,23.1 52.25,22.8 51.2,22.8 ; 52.55,25 52.55,26.7 52.25,27 51.74,27 v2(51.74,27) ; 51.2,22.8 49.7,22.8 ; 51.2,22.8 v2(51.2,23.3) ; 42.9,24.65 41.6,24.65 41.25,25 v2(41.24,25) ; 42.9,24.65 42.9,26.75 42.57,27.08 v2(41.82,27.08) ; 42.9,24.65 42.9,23.25 42.5,22.85 41.25,22.85 41.1,23 v2(41.1,23.3) ; 49.7,22.8 v2(49.7,23.3)
  GND-7 w0.3: v1(41.86,12.59) 41.16,13.3 38.35,13.3 ; v1(45.01,14.94) 45.02,14.94 v1(45.02,14.12) ; v1(45.01,14.94) 38.74,14.94 38.35,14.55 38.35,13.3 ; v1(45.01,14.94) 45.76,14.94 v1(45.78,14.91) ; v1(45.01,14.94) 45.01,14.92 45.78,14.14 45.78,14.88 45.04,14.14 v1(45.79,14.14) ; v1(40.26,9.39) 40.26,8.84 40.51,8.59 v1(41.06,8.59) 41.07,8.6 42.5,8.6 42.75,8.35 44.82,8.35 v1(45.03,8.57) v1(45.03,9.36) ; 38.35,13.3 36.9,11.85 v2(36.9,9.8) ; v1(45.03,9.36) 44.98,9.32 v1(44.19,9.32) ; v1(45.03,9.36) 46.27,9.36 46.65,9.75 v1(46.65,10.18) ; v1(44.19,9.32) 43.48,9.32 v1(43.44,9.36) 43.38,9.41 v1(43.38,10.11) 43.42,10.15 44.22,10.15 v1(44.24,10.18) 44.24,9.38 v1(44.19,9.32) ; v3(15.8,2.48) 14.7,2.48 v3(14.17,3)
  GND-7 w1: U13.GND2 79.85,23.86 78.64,25.07 ; 78.58,5.43 79.85,6.7 U13.GND1
  BOTTOM w0.102: D8.1 D11.1
  BOTTOM w0.15: D8.1 D9.1 64.2,3.8 arc(64.09,3.84) 64.05,3.95 64.05,6 arc(64.09,6.11) 64.2,6.15 D10.1 ; C82.2 70.8,25 70.6,24.8 D2.1 D3.1 D4.1 D5.1 ; D1.1 63.7,25.2 arc(63.64,25.06) 63.5,25 62.7,25 v3(62.6,25.1) ; D5.1 68,23.91 arc(67.94,23.62) 67.78,23.38 v3(67.2,22.8) ; D5.1 D6.1 ; D11.1 D12.1 D13.1 D14.1 D15.1 D16.1 70.95,3.8 71.2,4.05 v3(71.2,4.45) ; D21.1 8.8,15.4 arc(8.94,15.34) 9,15.2 9,14.3 arc(8.96,14.19) 8.85,14.15 D22.1 8.5,13.5 arc(8.38,13.22) 8.1,13.1 J8.1 ; D20.1 8.45,17.8 v3(8.2,18.05)
  BOTTOM w0.16: v1(41.06,17.27) 41.46,17.67 42.98,17.67 43.25,17.4 C100.1
  BOTTOM w0.2: C105.2 44.26,15.69 v1(44.26,15.67) 44.13,15.54 C111.2 44.14,15.34 C113.1 ; v1(27.38,4.2) 26.85,4.2 arc(26.64,4.29) 26.55,4.5 26.55,6.55 arc(26.61,6.69) 26.75,6.75 v1(27.37,6.75) C141.1 27.8,7.31 arc(27.78,7.39) 27.74,7.46 27.71,7.49 arc(27.67,7.56) 27.65,7.64 27.65,9.2 ; C112.1 18.8,15 18.7,15.1 C110.1 v2(18.1,15.4) R71.1 ; v3(28.35,9.2) 28.46,9.31 arc(28.56,9.38) 28.67,9.4 J7.7 30.48,9.4 arc(30.59,9.38) 30.69,9.31 v3(30.8,9.2) ; v3(28.35,9.2) 27.65,9.2 ; v3(28.35,9.2) 28.46,9.09 arc(28.56,9.02) 28.67,9 J7.5 30.48,9 arc(30.59,9.02) 30.69,9.09 v3(30.8,9.2) ; R73.1 v2(18.1,14.6) C115.1 ; J7.16 31.11,11 arc(30.87,11.05) 30.66,11.19 30.64,11.21 arc(30.43,11.35) 30.19,11.4 J7.17 27.75,11.4 arc(27.4,11.25) 27.25,10.9 27.25,9.6 arc(27.37,9.32) 27.65,9.2 ; v1(43.44,9.36) 43.43,9.36 C132.1 ; 50.99,7.99 v1(51,8) 51.31,8 arc(51.49,7.96) 51.64,7.86 51.8,7.7 C138.2 52.09,7.89 arc(52.27,8.01) 52.48,8.05 C137.1 53.1,8.2 53.2,8.3 55.15,8.3 55.85,7.6 J6.25 ; 50.99,7.99 C135.1 ; 50.99,7.99 50.88,7.88 C136.2 ; C96.1 48.05,18.25 v1(48.19,18.12) ; v2(51.74,27) 51.8,26.94 C77.1 51.5,26.6 51.4,26.5 C76.1 ; v1(48.99,11.74) 49.16,11.57 C125.1 ; C73.1 v3(58,26.95) C74.1 ; C99.1 40.95,17.38 v1(41.06,17.27) ; v1(41.06,19.67) 41.19,19.8 41.19,19.9 ; 41.82,27.05 41.97,26.9 C70.1 ; 41.82,27.05 v2(41.82,27.08) ; 41.82,27.05 41.82,26.82 41.62,26.62 arc(41.5,26.54) 41.35,26.51 C75.1 ; v3(30.8,9.2) 30.91,9.31 arc(31.01,9.38) 31.12,9.4 J7.8 32.93,9.4 arc(33.04,9.38) 33.14,9.31 v3(33.25,9.2) ; v3(30.8,9.2) 30.91,9.09 arc(31.01,9.02) 31.12,9 J7.6 32.93,9 arc(33.04,9.02) 33.14,9.09 v3(33.25,9.2) ; Q5.2 v2(34.7,9.73) ; C67.2 47.3,26.73 arc(47.34,26.52) 47.46,26.34 48.2,25.6 C79.1 48.2,25.2 v2(48.05,25.05) ; Q4.2 v2(35.8,9.74) ; C126.1 40.31,11.04 v1(40.21,10.94) ; R86.2 57.11,4.05 v1(57.43,4.05) C58.1 ; C114.1 v2(23.3,14.6) R72.1 ; v3(33.25,9.2) 33.25,10.4 arc(33.19,10.54) 33.05,10.6 J7.14 31.16,10.6 arc(30.92,10.55) 30.71,10.41 30.69,10.39 arc(30.48,10.25) 30.24,10.2 J7.11 ; C104.2 17.54,16.35 18.09,16.35 v3(18.11,16.33) 18.12,16.35 18.65,16.35 C103.1 ; J7.69 30.45,21.8 v1(30.85,21.4) J7.68 ; v1(46.65,10.18) 46.86,9.96 arc(46.89,9.92) 46.9,9.87 C130.1 ; v2(39.74,26.5) 39.48,26.5 arc(39.28,26.54) 39.11,26.65 38.86,26.9 C71.1 C72.1 ; C129.2 49.73,10.2 v1(49.74,10.19) 49.74,10.2 50.94,10.2 arc(51.09,10.23) 51.21,10.31 C127.2 ; C106.1 40.4,15.8 v1(40.26,15.67) ; C68.2 44.5,26.4 arc(44.44,26.26) 44.3,26.2 C78.1 43.4,23.55 arc(43.27,23.23) 42.95,23.1 C86.1 42.29,22.99 arc(42.19,22.92) 42.08,22.9 41.1,22.9 ; C81.1 51.45,24.8 v2(51.24,25) 51.24,24.84 50.9,24.5 C83.1 ; C118.1 23.45,13.8 v3(23.3,13.65) 23.16,13.8 C119.2 ; v1(41.86,12.59) 41.86,12.59 C124.1 ; C85.1 51.24,23.34 v2(51.2,23.3) 51.2,23.1 51,22.9 47.7,22.9 47.6,23 C84.1 ; C93.2 65.91,21.5 arc(66.09,21.54) 66.24,21.64 66.26,21.66 arc(66.41,21.76) 66.59,21.8 C91.1 v1(67.2,22.2) ; C140.1 34.5,6.1 arc(34.41,5.89) 34.2,5.8 v3(32.6,5.8) ; C128.2 44.16,10.26 v1(44.24,10.18) ; v3(20.5,17.13) 20.7,16.93 C108.1 ; C69.2 35.85,21.95 arc(35.53,22.08) 35.4,22.4 C88.1 ; v1(40.26,9.39) 40.24,9.37 C131.2 40.13,9.36 C134.1 ; C121.2 17.98,13.8 v3(18.11,13.68) 18.23,13.8 C120.1 ; v3(28.35,17.8) J7.49 30.44,17.8 arc(30.68,17.75) 30.89,17.61 30.91,17.59 arc(31.12,17.45) 31.36,17.4 J7.48 ; v1(30.8,18.8) 30.91,18.69 arc(31.01,18.62) 31.12,18.6 J7.54 ; v2(49.74,26) 49.7,25.96 C80.1 ; v1(41.06,8.59) 41.06,8.59 C133.1 ; J7.43 v3(28.35,16.6) ; J7.58 v1(30.8,19.4) ; 41.1,22.9 v2(41.1,23.3) ; 41.1,22.9 39.9,22.9 39.8,23 C87.1 ; C117.1 52.75,13.85 v3(52.8,13.8) 52.8,13.45 52.72,13.36 v1(51.37,13.36) ; R70.1 v2(23.3,15.4) C109.1 ; C116.2 47.54,13.99 v1(48.14,13.39) 48.26,13.27 C123.1 ; J7.55 v3(28.35,19) ; J7.38 J7.37 v3(28.35,15.4) ; Q3.2 v2(36.9,9.8) ; C102.2 22.72,16.33 v3(23.3,16.33) 23.87,16.33 C101.1
  BOTTOM w0.25: v3(56.6,14.1) 57.27,14.1 arc(57.48,14.06) 57.66,13.94 57.69,13.91 arc(57.87,13.79) 58.08,13.75 J6.15 ; v1(58.32,20.4) 58.47,20.25 J6.2 ; C90.2 v2(49.7,23.3)
  BOTTOM w0.3: v3(60.85,14.45) 61.05,14.25 U12.29 ; v3(66.2,12.2) 65.95,11.95 U12.19 ; v3(71.6,13.75) U12.9 ; U12.16 v3(67.45,12.2) 68.25,12.2 68.45,12 U12.14 ; U12.3 69.2,16.75 v3(68.9,16.45) ; v3(67.2,22.8) v1(67.2,22.2) ; U12.48 v3(68.95,20.1) ; v3(34.8,20.8) 36,20.8 arc(36.39,20.96) 36.55,21.35 C69.2
  BOTTOM w0.35: C92.2 69.2,20.85 arc(69.17,20.71) 69.09,20.59 69.06,20.56 arc(68.98,20.44) 68.95,20.3 v3(68.95,20.1)
  BOTTOM w0.38: R58.2 v3(15.8,2.48) ; R19.2 v3(15.8,17.1)
  BOTTOM w0.4: J6.26 57.25,23.25 v3(58,24) ; C142.2 v3(71.2,4.45) ; C6.1 33.95,27 v3(33.55,27.4) ; C92.2 69.3,21.4 C5.1
  BOTTOM w0.5: 2.35,13.1 2.35,11.65 J8.6 ; 2.35,13.1 2.35,18.55 J8.5 ; 2.35,13.1 J8.1
  BOTTOM w1: J8.6 5.45,10.6 6.4,9.65 TP3.1
  vias: v1(65.01,2.39) v1(65.83,2.39) v1(66.6,2.39) v1(67.39,2.39) v1(68.23,2.39) v1(69,2.39) v1(69.83,2.39) v1(70.81,2.39) v1(71.19,3.12) v3(12.85,14.45) v3(13.4,17) v3(13.7,14.45) v3(14.2,18.8) v3(14.2,18.1) v3(14.2,17.4) v3(14.35,15.3) v3(14.35,13.45) v3(14.97,15.8) v3(14.97,14.8) v3(14.97,13.9) v3(14.97,12.93) v3(15.4,7.2) v3(16.2,21.4) v3(16.3,7.1) v3(17,21.4) v3(18.5,20.7) v3(18.5,6.4) v3(18.9,18.1) v3(18.9,17.4) v3(19.7,17.13) v3(31.6,5.8) v3(32.1,4.7)
